# KiCad board B3_panel.kicad_pcb (continued)
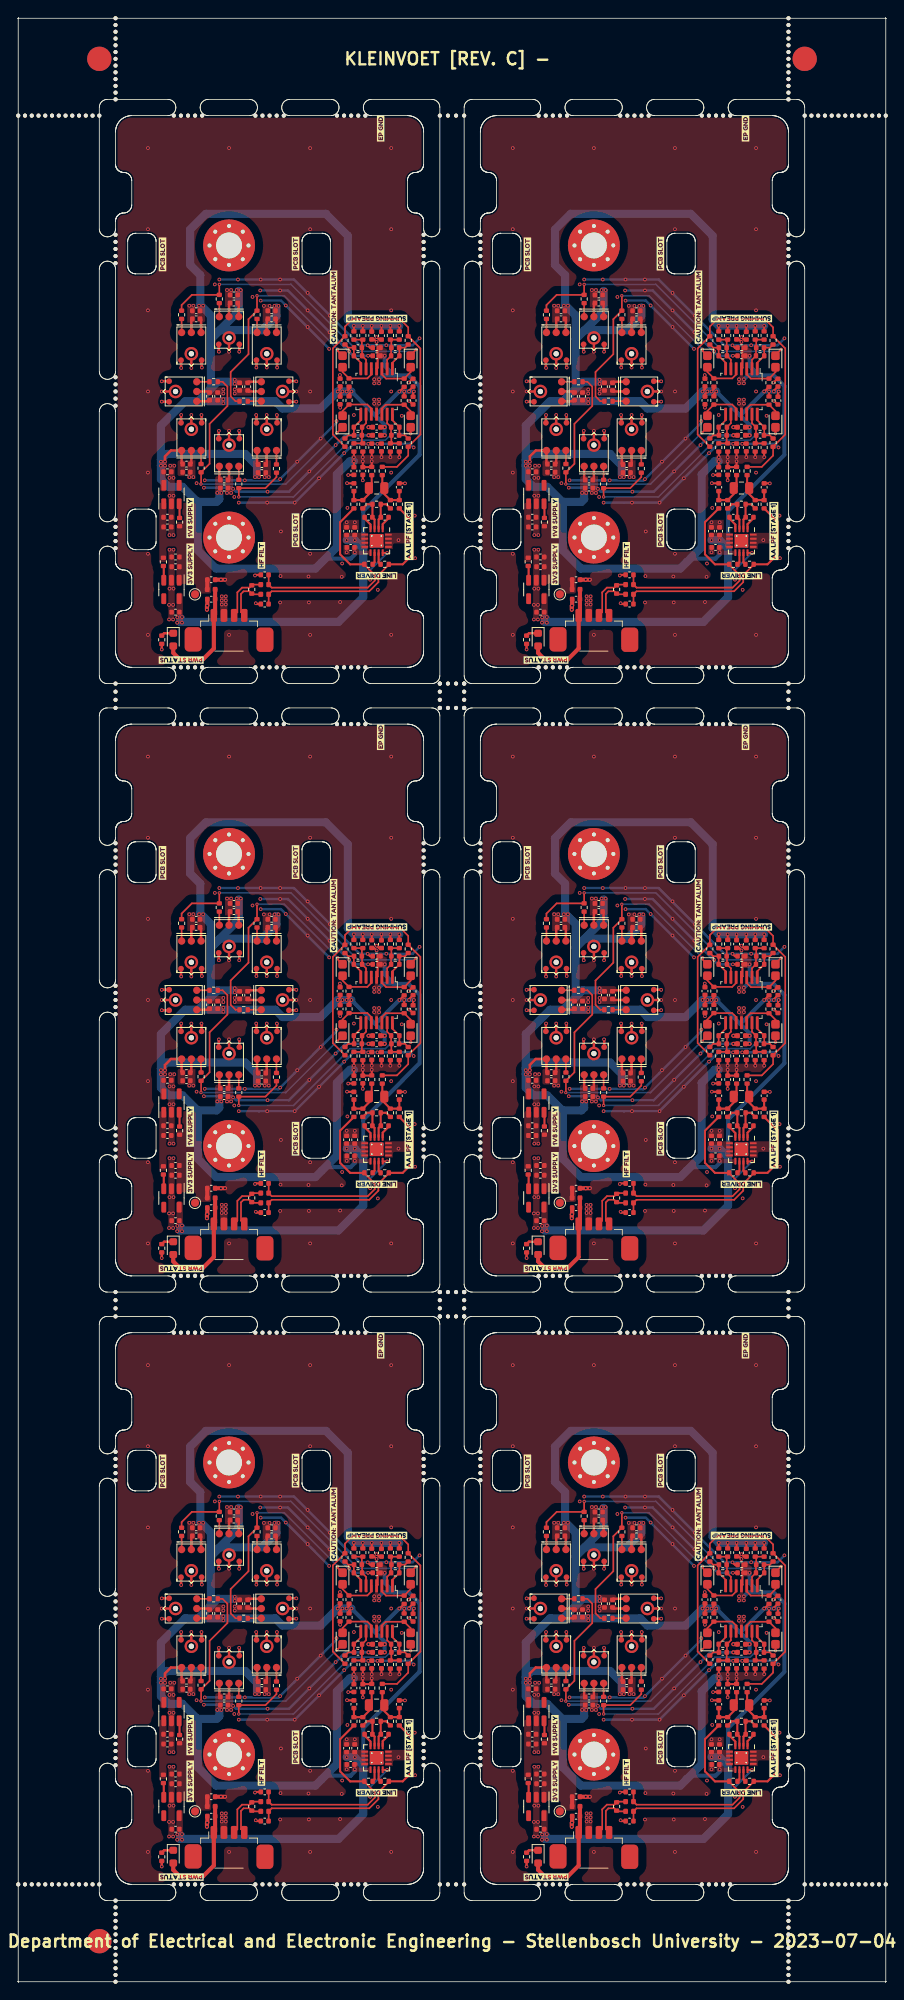
[diagram p0: board, top side]
## Nets
Board3_0-/Sensor_board/VCC_FILT: C1005#2.1 C1006.1 C1007#5.1 CB1001.1 CB1002.1 FB1001#5.2 R1001.1 R1003#4.1 TP1001.1 U1001#3.1 U1002#6.1
Board3_1-/Sensor_board/VCC_FILT: C1005#5.1 C1006#5.1 C1007.1 CB1001#4.1 CB1002#6.1 FB1001#6.2 R1001#3.1 R1003#6.1 TP1001#2.1 U1001#4.1 U1002#4.1
Board3_2-/Sensor_board/VCC_FILT: C1005#6.1 C1006#3.1 C1007#2.1 CB1001#5.1 CB1002#3.1 FB1001#2.2 R1001#4.1 R1003.1 TP1001#5.1 U1001#2.1 U1002#2.1
Board3_3-/Sensor_board/VCC_FILT: C1005.1 C1006#6.1 C1007#3.1 CB1001#3.1 CB1002#4.1 FB1001.2 R1001#6.1 R1003#2.1 TP1001#3.1 U1001#5.1 U1002#5.1
Board3_4-/Sensor_board/VCC_FILT: C1005#4.1 C1006#4.1 C1007#4.1 CB1001#2.1 CB1002#5.1 FB1001#3.2 R1001#2.1 R1003#5.1 TP1001#6.1 U1001#6.1 U1002.1
Board3_5-/Sensor_board/VCC_FILT: C1005#3.1 C1006#2.1 C1007#6.1 CB1001#6.1 CB1002#2.1 FB1001#4.2 R1001#5.1 R1003#3.1 TP1001#4.1 U1001.1 U1002#3.1
Board3_0-+1V8: C1001#5.1 C1004.1 C1008#6.1 C1009#2.1 C1401.1 C1402#5.1 C1501#6.1 C1503#2.1 C1505#3.1 C1506#3.1 C1507.1 C1508#6.1 CB1003#4.1 CB1401#2.1 CB1402#2.1 CB1403.1 CB1404.1 CB1405#6.1 CB1406#2.1 CB1407#2.1 CB1408.1 CB1602.1 CB1603#5.1 CB1604#6.1 CB1605#5.1 CB1606#2.1 CB1607.1 CB1608#6.1 CB1609#5.1 CB1610#6.1 MK1401.5 MK1402.5 MK1403#2.5 MK1404#2.5 MK1405#4.5 MK1406#6.5 MK1407#5.5 MK1408#2.5 R1601.2 R1617#5.2 R1618.2 R1619#6.2 R1620#5.2 R1621.1 R1622#3.1 R1626#2.2 R1627#5.2 R1628#4.1 R1631#3.2 R1632.2 R1633#4.1 U1001#3.5 U1701#6.9
Board3_0-+3.3V_SENSOR: C1002#4.1 C1504#6.1 C1605#5.2 CB1502.1 CB1601#4.1 U1002#6.5 U1601#6.4 U1701#6.5 U1701#6.6 U1701#6.7 U1701#6.8 U1701#6.12
Board3_0-/Sensor_board/Buffer/IN0: MK1404#2.1 R1609#6.1
Board3_0-/Sensor_board/Buffer/IN1: MK1406#6.1 R1614.1
Board3_0-/Sensor_board/Buffer/IN2: MK1402.1 R1611#3.1
Board3_0-/Sensor_board/Buffer/IN3: MK1408#2.1 R1616#3.1
Board3_0-/Sensor_board/Buffer/IN4: MK1403#2.1 R1610#3.1
Board3_0-/Sensor_board/Buffer/IN5: MK1405#4.1 R1613#3.1
Board3_0-/Sensor_board/Buffer/IN6: MK1401.1 R1612.1
Board3_0-/Sensor_board/Buffer/IN7: MK1407#5.1 R1615#5.1
Board3_0-/Sensor_board/Buffer/PAIR_A: C1608#6.1 R1611#3.2 R1614.2
Board3_0-/Sensor_board/Buffer/PAIR_B: C1614#5.1 R1610#3.2 R1616#3.2
Board3_0-/Sensor_board/Buffer/PAIR_C: C1609#2.1 R1609#6.2 R1615#5.2
Board3_0-/Sensor_board/Buffer/PAIR_D: C1613#5.1 R1612.2 R1613#3.2
Board3_0-/Sensor_board/Buffer/PREAMP_A_FB: C1502#6.2 R1514#3.1 R1617#5.1 R1618.1 U1601#6.2
Board3_0-/Sensor_board/Buffer/PREAMP_A_OUT: C1502#6.1 R1514#3.2 R1623#2.2 U1601#6.1
Board3_0-/Sensor_board/Buffer/PREAMP_B_FB: C1610#4.2 R1619#6.1 R1620#5.1 R1624#5.1 U1601#6.6
Board3_0-/Sensor_board/Buffer/PREAMP_B_OUT: C1610#4.1 R1624#5.2 R1625#6.2 U1601#6.7
Board3_0-/Sensor_board/Buffer/PREAMP_C_FB: C1612#5.2 R1631#3.1 R1632.1 R1634#3.1 U1601#6.9
Board3_0-/Sensor_board/Buffer/PREAMP_C_OUT: C1612#5.1 R1634#3.2 R1635#2.2 U1601#6.8
Board3_0-/Sensor_board/Buffer/PREAMP_D_FB: C1611#5.2 R1626#2.1 R1627#5.1 R1629#4.1 U1601#6.13
Board3_0-/Sensor_board/Buffer/PREAMP_D_OUT: C1611#5.1 R1629#4.2 R1630#5.2 U1601#6.14
Board3_0-/Sensor_board/Buffer/SENS_ARRAY_A: C1608#6.2 R1621.2 U1601#6.3
Board3_0-/Sensor_board/Buffer/SENS_ARRAY_B: C1614#5.2 R1622#3.2 U1601#6.5
Board3_0-/Sensor_board/Buffer/SENS_ARRAY_C: C1609#2.2 R1633#4.2 U1601#6.10
Board3_0-/Sensor_board/Buffer/SENS_ARRAY_D: C1613#5.2 R1628#4.2 U1601#6.12
Board3_0-/Sensor_board/Preamplifier/FB: C1603#6.1 U1701#6.4
Board3_0-/Sensor_board/Preamplifier/FDA_IN: C1602#6.2 C1604#2.2 R1604#2.1 U1701#6.2
Board3_0-/Sensor_board/Preamplifier/FDA_~{IN}: C1602#6.1 C1603#6.2 R1603#5.1 U1701#6.3
Board3_0-/Sensor_board/Preamplifier/OUT: R1607#6.2 U1701#6.10
Board3_0-/Sensor_board/Preamplifier/SIG_N: C1102#2.2 FB1102.2 R1606#5.1 R1608.1
Board3_0-/Sensor_board/Preamplifier/SIG_P: C1101#4.1 FB1101#2.2 R1605#2.1 R1607#6.1
Board3_0-/Sensor_board/Preamplifier/~{FB}: C1604#2.1 U1701#6.1
Board3_0-/Sensor_board/Preamplifier/~{OUT}: R1608.2 U1701#6.11
Board3_0-/Sensor_board/Sensor_Conn_3/SIG_CONN_N: FB1102.1 J1101.1 R1101#2.2
Board3_0-/Sensor_board/Sensor_Conn_3/SIG_CONN_P: FB1101#2.1 J1101.2 R1101#2.1
Board3_0-/Sensor_board/SUM_OUT_P: R1602#3.2 R1623#2.1 R1625#6.1 R1630#5.1 R1635#2.1
Board3_0-GND_SENSOR: C1001#5.2 C1002#4.2 C1003#4.2 C1004.2 C1005#2.2 C1006.2 C1007#5.2 C1008#6.2 C1009#2.2 C1101#4.2 C1102#2.1 C1401.2 C1402#5.2 C1501#6.2 C1503#2.2 C1504#6.2 C1505#3.2 C1506#3.2 C1507.2 C1508#6.2 C1605#5.1 C1606#5.1 C1607#5.1 CB1001.2 CB1002.2 CB1003#4.2 CB1401#2.2 CB1402#2.2 CB1403.2 CB1404.2 CB1405#6.2 CB1406#2.2 CB1407#2.2 CB1408.2 CB1502.2 CB1601#4.2 CB1602.2 CB1603#5.2 CB1604#6.2 CB1605#5.2 CB1606#2.2 CB1607.2 CB1608#6.2 CB1609#5.2 CB1610#6.2 H1001#5.1 H1002#2.1 J1101.3 MK1401.2 MK1401.3 MK1401.4 MK1401.6 MK1402.2 MK1402.3 MK1402.4 MK1402.6 MK1403#2.2 MK1403#2.3 MK1403#2.4 MK1403#2.6 MK1404#2.2 MK1404#2.3 MK1404#2.4 MK1404#2.6 MK1405#4.2 MK1405#4.3 MK1405#4.4 MK1405#4.6 MK1406#6.2 MK1406#6.3 MK1406#6.4 MK1406#6.6 MK1407#5.2 MK1407#5.3 MK1407#5.4 MK1407#5.6 MK1408#2.2 MK1408#2.3 MK1408#2.4 MK1408#2.6 R1002#2.2 U1001#3.2 U1002#6.2 U1601#6.11 U1701#6.13 U1701#6.14 U1701#6.15 U1701#6.16 U1701#6.17
Board3_0-Net-(C1601-Pad1): C1601#2.1 C1606#5.2 R1601.1 R1603#5.2 R1605#2.2
Board3_0-Net-(C1601-Pad2): C1601#2.2 C1607#5.2 R1602#3.1 R1604#2.2 R1606#5.2
Board3_0-Net-(D1001-K): D1001#2.1 R1002#2.1
Board3_0-Net-(U1001-EN): R1001.2 U1001#3.3
Board3_0-Net-(U1002-EN): R1003#4.2 U1002#6.3
Board3_0-unconnected-(U1001-NC-Pad4): U1001#3.4
Board3_0-unconnected-(U1002-NC-Pad4): U1002#6.4
Board3_0-VCC_SENSOR: C1003#4.1 D1001#2.2 FB1001#5.1 J1101.4
Board3_1-+1V8: C1001.1 C1004#3.1 C1008.1 C1009#6.1 C1401#3.1 C1402#2.1 C1501#3.1 C1503#5.1 C1505#2.1 C1506#4.1 C1507#2.1 C1508#2.1 CB1003#3.1 CB1401#5.1 CB1402.1 CB1403#3.1 CB1404#4.1 CB1405#5.1 CB1406#5.1 CB1407#3.1 CB1408#2.1 CB1602#4.1 CB1603#2.1 CB1604#2.1 CB1605#6.1 CB1606#5.1 CB1607#6.1 CB1608#2.1 CB1609#6.1 CB1610#5.1 MK1401#3.5 MK1402#3.5 MK1403#4.5 MK1404#6.5 MK1405#3.5 MK1406.5 MK1407#3.5 MK1408#3.5 R1601#3.2 R1617#4.2 R1618#6.2 R1619#5.2 R1620#6.2 R1621#6.1 R1622#5.1 R1626.2 R1627#2.2 R1628#2.1 R1631#4.2 R1632#2.2 R1633#5.1 U1001#4.5 U1701#3.9
Board3_1-+3.3V_SENSOR: C1002#2.1 C1504#4.1 C1605#4.2 CB1502#2.1 CB1601#6.1 U1002#4.5 U1601#3.4 U1701#3.5 U1701#3.6 U1701#3.7 U1701#3.8 U1701#3.12
Board3_1-/Sensor_board/Buffer/IN0: MK1404#6.1 R1609#4.1
Board3_1-/Sensor_board/Buffer/IN1: MK1406.1 R1614#4.1
Board3_1-/Sensor_board/Buffer/IN2: MK1402#3.1 R1611#6.1
Board3_1-/Sensor_board/Buffer/IN3: MK1408#3.1 R1616#6.1
Board3_1-/Sensor_board/Buffer/IN4: MK1403#4.1 R1610#2.1
Board3_1-/Sensor_board/Buffer/IN5: MK1405#3.1 R1613#6.1
Board3_1-/Sensor_board/Buffer/IN6: MK1401#3.1 R1612#2.1
Board3_1-/Sensor_board/Buffer/IN7: MK1407#3.1 R1615#6.1
Board3_1-/Sensor_board/Buffer/PAIR_A: C1608#4.1 R1611#6.2 R1614#4.2
Board3_1-/Sensor_board/Buffer/PAIR_B: C1614#2.1 R1610#2.2 R1616#6.2
Board3_1-/Sensor_board/Buffer/PAIR_C: C1609#5.1 R1609#4.2 R1615#6.2
Board3_1-/Sensor_board/Buffer/PAIR_D: C1613#4.1 R1612#2.2 R1613#6.2
Board3_1-/Sensor_board/Buffer/PREAMP_A_FB: C1502#2.2 R1514#2.1 R1617#4.1 R1618#6.1 U1601#3.2
Board3_1-/Sensor_board/Buffer/PREAMP_A_OUT: C1502#2.1 R1514#2.2 R1623#3.2 U1601#3.1
Board3_1-/Sensor_board/Buffer/PREAMP_B_FB: C1610#3.2 R1619#5.1 R1620#6.1 R1624#4.1 U1601#3.6
Board3_1-/Sensor_board/Buffer/PREAMP_B_OUT: C1610#3.1 R1624#4.2 R1625#3.2 U1601#3.7
Board3_1-/Sensor_board/Buffer/PREAMP_C_FB: C1612.2 R1631#4.1 R1632#2.1 R1634#6.1 U1601#3.9
Board3_1-/Sensor_board/Buffer/PREAMP_C_OUT: C1612.1 R1634#6.2 R1635#4.2 U1601#3.8
Board3_1-/Sensor_board/Buffer/PREAMP_D_FB: C1611#3.2 R1626.1 R1627#2.1 R1629#3.1 U1601#3.13
Board3_1-/Sensor_board/Buffer/PREAMP_D_OUT: C1611#3.1 R1629#3.2 R1630.2 U1601#3.14
Board3_1-/Sensor_board/Buffer/SENS_ARRAY_A: C1608#4.2 R1621#6.2 U1601#3.3
Board3_1-/Sensor_board/Buffer/SENS_ARRAY_B: C1614#2.2 R1622#5.2 U1601#3.5
Board3_1-/Sensor_board/Buffer/SENS_ARRAY_C: C1609#5.2 R1633#5.2 U1601#3.10
Board3_1-/Sensor_board/Buffer/SENS_ARRAY_D: C1613#4.2 R1628#2.2 U1601#3.12
Board3_1-/Sensor_board/Preamplifier/FB: C1603#2.1 U1701#3.4
Board3_1-/Sensor_board/Preamplifier/FDA_IN: C1602#4.2 C1604#6.2 R1604#3.1 U1701#3.2
Board3_1-/Sensor_board/Preamplifier/FDA_~{IN}: C1602#4.1 C1603#2.2 R1603#4.1 U1701#3.3
Board3_1-/Sensor_board/Preamplifier/OUT: R1607.2 U1701#3.10
Board3_1-/Sensor_board/Preamplifier/SIG_N: C1102#4.2 FB1102#4.2 R1606#2.1 R1608#6.1
Board3_1-/Sensor_board/Preamplifier/SIG_P: C1101#3.1 FB1101.2 R1605#5.1 R1607.1
Board3_1-/Sensor_board/Preamplifier/~{FB}: C1604#6.1 U1701#3.1
Board3_1-/Sensor_board/Preamplifier/~{OUT}: R1608#6.2 U1701#3.11
Board3_1-/Sensor_board/Sensor_Conn_3/SIG_CONN_N: FB1102#4.1 J1101#5.1 R1101#4.2
Board3_1-/Sensor_board/Sensor_Conn_3/SIG_CONN_P: FB1101.1 J1101#5.2 R1101#4.1
Board3_1-/Sensor_board/SUM_OUT_P: R1602#6.2 R1623#3.1 R1625#3.1 R1630.1 R1635#4.1
Board3_1-GND_SENSOR: C1001.2 C1002#2.2 C1003.2 C1004#3.2 C1005#5.2 C1006#5.2 C1007.2 C1008.2 C1009#6.2 C1101#3.2 C1102#4.1 C1401#3.2 C1402#2.2 C1501#3.2 C1503#5.2 C1504#4.2 C1505#2.2 C1506#4.2 C1507#2.2 C1508#2.2 C1605#4.1 C1606#2.1 C1607#4.1 CB1001#4.2 CB1002#6.2 CB1003#3.2 CB1401#5.2 CB1402.2 CB1403#3.2 CB1404#4.2 CB1405#5.2 CB1406#5.2 CB1407#3.2 CB1408#2.2 CB1502#2.2 CB1601#6.2 CB1602#4.2 CB1603#2.2 CB1604#2.2 CB1605#6.2 CB1606#5.2 CB1607#6.2 CB1608#2.2 CB1609#6.2 CB1610#5.2 H1001#6.1 H1002#3.1 J1101#5.3 MK1401#3.2 MK1401#3.3 MK1401#3.4 MK1401#3.6 MK1402#3.2 MK1402#3.3 MK1402#3.4 MK1402#3.6 MK1403#4.2 MK1403#4.3 MK1403#4.4 MK1403#4.6 MK1404#6.2 MK1404#6.3 MK1404#6.4 MK1404#6.6 MK1405#3.2 MK1405#3.3 MK1405#3.4 MK1405#3.6 MK1406.2 MK1406.3 MK1406.4 MK1406.6 MK1407#3.2 MK1407#3.3 MK1407#3.4 MK1407#3.6 MK1408#3.2 MK1408#3.3 MK1408#3.4 MK1408#3.6 R1002#6.2 U1001#4.2 U1002#4.2 U1601#3.11 U1701#3.13 U1701#3.14 U1701#3.15 U1701#3.16 U1701#3.17
Board3_1-Net-(C1601-Pad1): C1601#6.1 C1606#2.2 R1601#3.1 R1603#4.2 R1605#5.2
Board3_1-Net-(C1601-Pad2): C1601#6.2 C1607#4.2 R1602#6.1 R1604#3.2 R1606#2.2
Board3_1-Net-(D1001-K): D1001#5.1 R1002#6.1
Board3_1-Net-(U1001-EN): R1001#3.2 U1001#4.3
Board3_1-Net-(U1002-EN): R1003#6.2 U1002#4.3
Board3_1-unconnected-(U1001-NC-Pad4): U1001#4.4
Board3_1-unconnected-(U1002-NC-Pad4): U1002#4.4
Board3_1-VCC_SENSOR: C1003.1 D1001#5.2 FB1001#6.1 J1101#5.4
Board3_2-+1V8: C1001#2.1 C1004#4.1 C1008#4.1 C1009.1 C1401#2.1 C1402.1 C1501#2.1 C1503#4.1 C1505#4.1 C1506.1 C1507#4.1 C1508.1 CB1003.1 CB1401#4.1 CB1402#3.1 CB1403#2.1 CB1404#3.1 CB1405#2.1 CB1406#4.1 CB1407#4.1 CB1408#5.1 CB1602#6.1 CB1603.1 CB1604#3.1 CB1605#3.1 CB1606.1 CB1607#5.1 CB1608#5.1 CB1609#4.1 CB1610#3.1 MK1401#5.5 MK1402#4.5 MK1403#5.5 MK1404#4.5 MK1405#2.5 MK1406#5.5 MK1407#4.5 MK1408#5.5 R1601#5.2 R1617#3.2 R1618#3.2 R1619#2.2 R1620#2.2 R1621#4.1 R1622#2.1 R1626#5.2 R1627.2 R1628#3.1 R1631#5.2 R1632#5.2 R1633#3.1 U1001#2.5 U1701#5.9
Board3_2-+3.3V_SENSOR: C1002#5.1 C1504#2.1 C1605.2 CB1502#5.1 CB1601#2.1 U1002#2.5 U1601#2.4 U1701#5.5 U1701#5.6 U1701#5.7 U1701#5.8 U1701#5.12
Board3_2-/Sensor_board/Buffer/IN0: MK1404#4.1 R1609#5.1
Board3_2-/Sensor_board/Buffer/IN1: MK1406#5.1 R1614#6.1
Board3_2-/Sensor_board/Buffer/IN2: MK1402#4.1 R1611#4.1
Board3_2-/Sensor_board/Buffer/IN3: MK1408#5.1 R1616#5.1
Board3_2-/Sensor_board/Buffer/IN4: MK1403#5.1 R1610#6.1
Board3_2-/Sensor_board/Buffer/IN5: MK1405#2.1 R1613#5.1
Board3_2-/Sensor_board/Buffer/IN6: MK1401#5.1 R1612#3.1
Board3_2-/Sensor_board/Buffer/IN7: MK1407#4.1 R1615#4.1
Board3_2-/Sensor_board/Buffer/PAIR_A: C1608.1 R1611#4.2 R1614#6.2
Board3_2-/Sensor_board/Buffer/PAIR_B: C1614#4.1 R1610#6.2 R1616#5.2
Board3_2-/Sensor_board/Buffer/PAIR_C: C1609#3.1 R1609#5.2 R1615#4.2
Board3_2-/Sensor_board/Buffer/PAIR_D: C1613.1 R1612#3.2 R1613#5.2
Board3_2-/Sensor_board/Buffer/PREAMP_A_FB: C1502#5.2 R1514#5.1 R1617#3.1 R1618#3.1 U1601#2.2
Board3_2-/Sensor_board/Buffer/PREAMP_A_OUT: C1502#5.1 R1514#5.2 R1623#5.2 U1601#2.1
Board3_2-/Sensor_board/Buffer/PREAMP_B_FB: C1610#2.2 R1619#2.1 R1620#2.1 R1624.1 U1601#2.6
Board3_2-/Sensor_board/Buffer/PREAMP_B_OUT: C1610#2.1 R1624.2 R1625.2 U1601#2.7
Board3_2-/Sensor_board/Buffer/PREAMP_C_FB: C1612#3.2 R1631#5.1 R1632#5.1 R1634#2.1 U1601#2.9
Board3_2-/Sensor_board/Buffer/PREAMP_C_OUT: C1612#3.1 R1634#2.2 R1635#6.2 U1601#2.8
Board3_2-/Sensor_board/Buffer/PREAMP_D_FB: C1611#6.2 R1626#5.1 R1627.1 R1629.1 U1601#2.13
Board3_2-/Sensor_board/Buffer/PREAMP_D_OUT: C1611#6.1 R1629.2 R1630#6.2 U1601#2.14
Board3_2-/Sensor_board/Buffer/SENS_ARRAY_A: C1608.2 R1621#4.2 U1601#2.3
Board3_2-/Sensor_board/Buffer/SENS_ARRAY_B: C1614#4.2 R1622#2.2 U1601#2.5
Board3_2-/Sensor_board/Buffer/SENS_ARRAY_C: C1609#3.2 R1633#3.2 U1601#2.10
Board3_2-/Sensor_board/Buffer/SENS_ARRAY_D: C1613.2 R1628#3.2 U1601#2.12
Board3_2-/Sensor_board/Preamplifier/FB: C1603#3.1 U1701#5.4
Board3_2-/Sensor_board/Preamplifier/FDA_IN: C1602#3.2 C1604#4.2 R1604.1 U1701#5.2
Board3_2-/Sensor_board/Preamplifier/FDA_~{IN}: C1602#3.1 C1603#3.2 R1603#6.1 U1701#5.3
Board3_2-/Sensor_board/Preamplifier/OUT: R1607#3.2 U1701#5.10
Board3_2-/Sensor_board/Preamplifier/SIG_N: C1102#3.2 FB1102#3.2 R1606#3.1 R1608#3.1
Board3_2-/Sensor_board/Preamplifier/SIG_P: C1101#6.1 FB1101#3.2 R1605#3.1 R1607#3.1
Board3_2-/Sensor_board/Preamplifier/~{FB}: C1604#4.1 U1701#5.1
Board3_2-/Sensor_board/Preamplifier/~{OUT}: R1608#3.2 U1701#5.11
Board3_2-/Sensor_board/Sensor_Conn_3/SIG_CONN_N: FB1102#3.1 J1101#2.1 R1101#6.2
Board3_2-/Sensor_board/Sensor_Conn_3/SIG_CONN_P: FB1101#3.1 J1101#2.2 R1101#6.1
Board3_2-/Sensor_board/SUM_OUT_P: R1602#2.2 R1623#5.1 R1625.1 R1630#6.1 R1635#6.1
Board3_2-GND_SENSOR: C1001#2.2 C1002#5.2 C1003#3.2 C1004#4.2 C1005#6.2 C1006#3.2 C1007#2.2 C1008#4.2 C1009.2 C1101#6.2 C1102#3.1 C1401#2.2 C1402.2 C1501#2.2 C1503#4.2 C1504#2.2 C1505#4.2 C1506.2 C1507#4.2 C1508.2 C1605.1 C1606#6.1 C1607.1 CB1001#5.2 CB1002#3.2 CB1003.2 CB1401#4.2 CB1402#3.2 CB1403#2.2 CB1404#3.2 CB1405#2.2 CB1406#4.2 CB1407#4.2 CB1408#5.2 CB1502#5.2 CB1601#2.2 CB1602#6.2 CB1603.2 CB1604#3.2 CB1605#3.2 CB1606.2 CB1607#5.2 CB1608#5.2 CB1609#4.2 CB1610#3.2 H1001#4.1 H1002#5.1 J1101#2.3 MK1401#5.2 MK1401#5.3 MK1401#5.4 MK1401#5.6 MK1402#4.2 MK1402#4.3 MK1402#4.4 MK1402#4.6 MK1403#5.2 MK1403#5.3 MK1403#5.4 MK1403#5.6 MK1404#4.2 MK1404#4.3 MK1404#4.4 MK1404#4.6 MK1405#2.2 MK1405#2.3 MK1405#2.4 MK1405#2.6 MK1406#5.2 MK1406#5.3 MK1406#5.4 MK1406#5.6 MK1407#4.2 MK1407#4.3 MK1407#4.4 MK1407#4.6 MK1408#5.2 MK1408#5.3 MK1408#5.4 MK1408#5.6 R1002.2 U1001#2.2 U1002#2.2 U1601#2.11 U1701#5.13 U1701#5.14 U1701#5.15 U1701#5.16 U1701#5.17
Board3_2-Net-(C1601-Pad1): C1601#5.1 C1606#6.2 R1601#5.1 R1603#6.2 R1605#3.2
Board3_2-Net-(C1601-Pad2): C1601#5.2 C1607.2 R1602#2.1 R1604.2 R1606#3.2
Board3_2-Net-(D1001-K): D1001.1 R1002.1
Board3_2-Net-(U1001-EN): R1001#4.2 U1001#2.3
Board3_2-Net-(U1002-EN): R1003.2 U1002#2.3
Board3_2-unconnected-(U1001-NC-Pad4): U1001#2.4
Board3_2-unconnected-(U1002-NC-Pad4): U1002#2.4
Board3_2-VCC_SENSOR: C1003#3.1 D1001.2 FB1001#2.1 J1101#2.4
Board3_3-+1V8: C1001#4.1 C1004#6.1 C1008#2.1 C1009#4.1 C1401#5.1 C1402#4.1 C1501.1 C1503.1 C1505.1 C1506#2.1 C1507#5.1 C1508#4.1 CB1003#2.1 CB1401#3.1 CB1402#6.1 CB1403#6.1 CB1404#2.1 CB1405.1 CB1406#3.1 CB1407.1 CB1408#4.1 CB1602#2.1 CB1603#6.1 CB1604.1 CB1605#2.1 CB1606#6.1 CB1607#3.1 CB1608#4.1 CB1609.1 CB1610#2.1 MK1401#2.5 MK1402#6.5 MK1403.5 MK1404#3.5 MK1405#5.5 MK1406#4.5 MK1407#2.5 MK1408#4.5 R1601#2.2 R1617#6.2 R1618#4.2 R1619.2 R1620#3.2 R1621#5.1 R1622#6.1 R1626#4.2 R1627#3.2 R1628#5.1 R1631.2 R1632#3.2 R1633.1 U1001#5.5 U1701.9
Board3_3-+3.3V_SENSOR: C1002#6.1 C1504#5.1 C1605#6.2 CB1502#3.1 CB1601#5.1 U1002#5.5 U1601#5.4 U1701.5 U1701.6 U1701.7 U1701.8 U1701.12
Board3_3-/Sensor_board/Buffer/IN0: MK1404#3.1 R1609#3.1
Board3_3-/Sensor_board/Buffer/IN1: MK1406#4.1 R1614#2.1
Board3_3-/Sensor_board/Buffer/IN2: MK1402#6.1 R1611#2.1
Board3_3-/Sensor_board/Buffer/IN3: MK1408#4.1 R1616.1
Board3_3-/Sensor_board/Buffer/IN4: MK1403.1 R1610#5.1
Board3_3-/Sensor_board/Buffer/IN5: MK1405#5.1 R1613#4.1
Board3_3-/Sensor_board/Buffer/IN6: MK1401#2.1 R1612#4.1
Board3_3-/Sensor_board/Buffer/IN7: MK1407#2.1 R1615.1
Board3_3-/Sensor_board/Buffer/PAIR_A: C1608#5.1 R1611#2.2 R1614#2.2
Board3_3-/Sensor_board/Buffer/PAIR_B: C1614#6.1 R1610#5.2 R1616.2
Board3_3-/Sensor_board/Buffer/PAIR_C: C1609#4.1 R1609#3.2 R1615.2
Board3_3-/Sensor_board/Buffer/PAIR_D: C1613#6.1 R1612#4.2 R1613#4.2
Board3_3-/Sensor_board/Buffer/PREAMP_A_FB: C1502.2 R1514#4.1 R1617#6.1 R1618#4.1 U1601#5.2
Board3_3-/Sensor_board/Buffer/PREAMP_A_OUT: C1502.1 R1514#4.2 R1623#4.2 U1601#5.1
Board3_3-/Sensor_board/Buffer/PREAMP_B_FB: C1610#6.2 R1619.1 R1620#3.1 R1624#2.1 U1601#5.6
Board3_3-/Sensor_board/Buffer/PREAMP_B_OUT: C1610#6.1 R1624#2.2 R1625#4.2 U1601#5.7
Board3_3-/Sensor_board/Buffer/PREAMP_C_FB: C1612#2.2 R1631.1 R1632#3.1 R1634#5.1 U1601#5.9
Board3_3-/Sensor_board/Buffer/PREAMP_C_OUT: C1612#2.1 R1634#5.2 R1635#5.2 U1601#5.8
Board3_3-/Sensor_board/Buffer/PREAMP_D_FB: C1611.2 R1626#4.1 R1627#3.1 R1629#2.1 U1601#5.13
Board3_3-/Sensor_board/Buffer/PREAMP_D_OUT: C1611.1 R1629#2.2 R1630#2.2 U1601#5.14
Board3_3-/Sensor_board/Buffer/SENS_ARRAY_A: C1608#5.2 R1621#5.2 U1601#5.3
Board3_3-/Sensor_board/Buffer/SENS_ARRAY_B: C1614#6.2 R1622#6.2 U1601#5.5
Board3_3-/Sensor_board/Buffer/SENS_ARRAY_C: C1609#4.2 R1633.2 U1601#5.10
Board3_3-/Sensor_board/Buffer/SENS_ARRAY_D: C1613#6.2 R1628#5.2 U1601#5.12
Board3_3-/Sensor_board/Preamplifier/FB: C1603#5.1 U1701.4
Board3_3-/Sensor_board/Preamplifier/FDA_IN: C1602#2.2 C1604.2 R1604#5.1 U1701.2
Board3_3-/Sensor_board/Preamplifier/FDA_~{IN}: C1602#2.1 C1603#5.2 R1603#2.1 U1701.3
Board3_3-/Sensor_board/Preamplifier/OUT: R1607#4.2 U1701.10
Board3_3-/Sensor_board/Preamplifier/SIG_N: C1102#6.2 FB1102#5.2 R1606.1 R1608#5.1
Board3_3-/Sensor_board/Preamplifier/SIG_P: C1101.1 FB1101#4.2 R1605#4.1 R1607#4.1
Board3_3-/Sensor_board/Preamplifier/~{FB}: C1604.1 U1701.1
Board3_3-/Sensor_board/Preamplifier/~{OUT}: R1608#5.2 U1701.11
Board3_3-/Sensor_board/Sensor_Conn_3/SIG_CONN_N: FB1102#5.1 J1101#6.1 R1101#3.2
Board3_3-/Sensor_board/Sensor_Conn_3/SIG_CONN_P: FB1101#4.1 J1101#6.2 R1101#3.1
Board3_3-/Sensor_board/SUM_OUT_P: R1602#5.2 R1623#4.1 R1625#4.1 R1630#2.1 R1635#5.1
Board3_3-GND_SENSOR: C1001#4.2 C1002#6.2 C1003#2.2 C1004#6.2 C1005.2 C1006#6.2 C1007#3.2 C1008#2.2 C1009#4.2 C1101.2 C1102#6.1 C1401#5.2 C1402#4.2 C1501.2 C1503.2 C1504#5.2 C1505.2 C1506#2.2 C1507#5.2 C1508#4.2 C1605#6.1 C1606#3.1 C1607#3.1 CB1001#3.2 CB1002#4.2 CB1003#2.2 CB1401#3.2 CB1402#6.2 CB1403#6.2 CB1404#2.2 CB1405.2 CB1406#3.2 CB1407.2 CB1408#4.2 CB1502#3.2 CB1601#5.2 CB1602#2.2 CB1603#6.2 CB1604.2 CB1605#2.2 CB1606#6.2 CB1607#3.2 CB1608#4.2 CB1609.2 CB1610#2.2 H1001#2.1 H1002#4.1 J1101#6.3 MK1401#2.2 MK1401#2.3 MK1401#2.4 MK1401#2.6 MK1402#6.2 MK1402#6.3 MK1402#6.4 MK1402#6.6 MK1403.2 MK1403.3 MK1403.4 MK1403.6 MK1404#3.2 MK1404#3.3 MK1404#3.4 MK1404#3.6 MK1405#5.2 MK1405#5.3 MK1405#5.4 MK1405#5.6 MK1406#4.2 MK1406#4.3 MK1406#4.4 MK1406#4.6 MK1407#2.2 MK1407#2.3 MK1407#2.4 MK1407#2.6 MK1408#4.2 MK1408#4.3 MK1408#4.4 MK1408#4.6 R1002#4.2 U1001#5.2 U1002#5.2 U1601#5.11 U1701.13 U1701.14 U1701.15 U1701.16 U1701.17
Board3_3-Net-(C1601-Pad1): C1601#3.1 C1606#3.2 R1601#2.1 R1603#2.2 R1605#4.2
Board3_3-Net-(C1601-Pad2): C1601#3.2 C1607#3.2 R1602#5.1 R1604#5.2 R1606.2
Board3_3-Net-(D1001-K): D1001#3.1 R1002#4.1
Board3_3-Net-(U1001-EN): R1001#6.2 U1001#5.3
Board3_3-Net-(U1002-EN): R1003#2.2 U1002#5.3
Board3_3-unconnected-(U1001-NC-Pad4): U1001#5.4
Board3_3-unconnected-(U1002-NC-Pad4): U1002#5.4
Board3_3-VCC_SENSOR: C1003#2.1 D1001#3.2 FB1001.1 J1101#6.4
Board3_4-+1V8: C1001#3.1 C1004#2.1 C1008#5.1 C1009#5.1 C1401#4.1 C1402#3.1 C1501#5.1 C1503#3.1 C1505#6.1 C1506#6.1 C1507#6.1 C1508#3.1 CB1003#5.1 CB1401#6.1 CB1402#5.1 CB1403#5.1 CB1404#5.1 CB1405#4.1 CB1406#6.1 CB1407#5.1 CB1408#3.1 CB1602#3.1 CB1603#3.1 CB1604#5.1 CB1605.1 CB1606#4.1 CB1607#4.1 CB1608.1 CB1609#2.1 CB1610#4.1 MK1401#4.5 MK1402#2.5 MK1403#6.5 MK1404.5 MK1405.5 MK1406#3.5 MK1407#6.5 MK1408#6.5 R1601#4.2 R1617#2.2 R1618#2.2 R1619#4.2 R1620.2 R1621#2.1 R1622#4.1 R1626#3.2 R1627#4.2 R1628#6.1 R1631#2.2 R1632#4.2 R1633#6.1 U1001#6.5 U1701#2.9
Board3_4-+3.3V_SENSOR: C1002.1 C1504#3.1 C1605#2.2 CB1502#4.1 CB1601.1 U1002.5 U1601.4 U1701#2.5 U1701#2.6 U1701#2.7 U1701#2.8 U1701#2.12
Board3_4-/Sensor_board/Buffer/IN0: MK1404.1 R1609#2.1
Board3_4-/Sensor_board/Buffer/IN1: MK1406#3.1 R1614#3.1
Board3_4-/Sensor_board/Buffer/IN2: MK1402#2.1 R1611.1
Board3_4-/Sensor_board/Buffer/IN3: MK1408#6.1 R1616#4.1
Board3_4-/Sensor_board/Buffer/IN4: MK1403#6.1 R1610#4.1
Board3_4-/Sensor_board/Buffer/IN5: MK1405.1 R1613#2.1
Board3_4-/Sensor_board/Buffer/IN6: MK1401#4.1 R1612#5.1
Board3_4-/Sensor_board/Buffer/IN7: MK1407#6.1 R1615#2.1
Board3_4-/Sensor_board/Buffer/PAIR_A: C1608#3.1 R1611.2 R1614#3.2
Board3_4-/Sensor_board/Buffer/PAIR_B: C1614.1 R1610#4.2 R1616#4.2
Board3_4-/Sensor_board/Buffer/PAIR_C: C1609#6.1 R1609#2.2 R1615#2.2
Board3_4-/Sensor_board/Buffer/PAIR_D: C1613#2.1 R1612#5.2 R1613#2.2
Board3_4-/Sensor_board/Buffer/PREAMP_A_FB: C1502#3.2 R1514.1 R1617#2.1 R1618#2.1 U1601.2
Board3_4-/Sensor_board/Buffer/PREAMP_A_OUT: C1502#3.1 R1514.2 R1623.2 U1601.1
Board3_4-/Sensor_board/Buffer/PREAMP_B_FB: C1610#5.2 R1619#4.1 R1620.1 R1624#6.1 U1601.6
Board3_4-/Sensor_board/Buffer/PREAMP_B_OUT: C1610#5.1 R1624#6.2 R1625#2.2 U1601.7
Board3_4-/Sensor_board/Buffer/PREAMP_C_FB: C1612#4.2 R1631#2.1 R1632#4.1 R1634.1 U1601.9
Board3_4-/Sensor_board/Buffer/PREAMP_C_OUT: C1612#4.1 R1634.2 R1635.2 U1601.8
Board3_4-/Sensor_board/Buffer/PREAMP_D_FB: C1611#4.2 R1626#3.1 R1627#4.1 R1629#6.1 U1601.13
Board3_4-/Sensor_board/Buffer/PREAMP_D_OUT: C1611#4.1 R1629#6.2 R1630#3.2 U1601.14
Board3_4-/Sensor_board/Buffer/SENS_ARRAY_A: C1608#3.2 R1621#2.2 U1601.3
Board3_4-/Sensor_board/Buffer/SENS_ARRAY_B: C1614.2 R1622#4.2 U1601.5
Board3_4-/Sensor_board/Buffer/SENS_ARRAY_C: C1609#6.2 R1633#6.2 U1601.10
Board3_4-/Sensor_board/Buffer/SENS_ARRAY_D: C1613#2.2 R1628#6.2 U1601.12
Board3_4-/Sensor_board/Preamplifier/FB: C1603#4.1 U1701#2.4
Board3_4-/Sensor_board/Preamplifier/FDA_IN: C1602.2 C1604#5.2 R1604#4.1 U1701#2.2
Board3_4-/Sensor_board/Preamplifier/FDA_~{IN}: C1602.1 C1603#4.2 R1603#3.1 U1701#2.3
Board3_4-/Sensor_board/Preamplifier/OUT: R1607#5.2 U1701#2.10
Board3_4-/Sensor_board/Preamplifier/SIG_N: C1102.2 FB1102#2.2 R1606#6.1 R1608#2.1
Board3_4-/Sensor_board/Preamplifier/SIG_P: C1101#5.1 FB1101#6.2 R1605#6.1 R1607#5.1
Board3_4-/Sensor_board/Preamplifier/~{FB}: C1604#5.1 U1701#2.1
Board3_4-/Sensor_board/Preamplifier/~{OUT}: R1608#2.2 U1701#2.11
Board3_4-/Sensor_board/Sensor_Conn_3/SIG_CONN_N: FB1102#2.1 J1101#3.1 R1101#5.2
Board3_4-/Sensor_board/Sensor_Conn_3/SIG_CONN_P: FB1101#6.1 J1101#3.2 R1101#5.1
Board3_4-/Sensor_board/SUM_OUT_P: R1602#4.2 R1623.1 R1625#2.1 R1630#3.1 R1635.1
Board3_4-GND_SENSOR: C1001#3.2 C1002.2 C1003#6.2 C1004#2.2 C1005#4.2 C1006#4.2 C1007#4.2 C1008#5.2 C1009#5.2 C1101#5.2 C1102.1 C1401#4.2 C1402#3.2 C1501#5.2 C1503#3.2 C1504#3.2 C1505#6.2 C1506#6.2 C1507#6.2 C1508#3.2 C1605#2.1 C1606#4.1 C1607#6.1 CB1001#2.2 CB1002#5.2 CB1003#5.2 CB1401#6.2 CB1402#5.2 CB1403#5.2 CB1404#5.2 CB1405#4.2 CB1406#6.2 CB1407#5.2 CB1408#3.2 CB1502#4.2 CB1601.2 CB1602#3.2 CB1603#3.2 CB1604#5.2 CB1605.2 CB1606#4.2 CB1607#4.2 CB1608.2 CB1609#2.2 CB1610#4.2 H1001#3.1 H1002.1 J1101#3.3 MK1401#4.2 MK1401#4.3 MK1401#4.4 MK1401#4.6 MK1402#2.2 MK1402#2.3 MK1402#2.4 MK1402#2.6 MK1403#6.2 MK1403#6.3 MK1403#6.4 MK1403#6.6 MK1404.2 MK1404.3 MK1404.4 MK1404.6 MK1405.2 MK1405.3 MK1405.4 MK1405.6 MK1406#3.2 MK1406#3.3 MK1406#3.4 MK1406#3.6 MK1407#6.2 MK1407#6.3 MK1407#6.4 MK1407#6.6 MK1408#6.2 MK1408#6.3 MK1408#6.4 MK1408#6.6 R1002#5.2 U1001#6.2 U1002.2 U1601.11 U1701#2.13 U1701#2.14 U1701#2.15 U1701#2.16 U1701#2.17
Board3_4-Net-(C1601-Pad1): C1601#4.1 C1606#4.2 R1601#4.1 R1603#3.2 R1605#6.2
Board3_4-Net-(C1601-Pad2): C1601#4.2 C1607#6.2 R1602#4.1 R1604#4.2 R1606#6.2
Board3_4-Net-(D1001-K): D1001#4.1 R1002#5.1
Board3_4-Net-(U1001-EN): R1001#2.2 U1001#6.3
Board3_4-Net-(U1002-EN): R1003#5.2 U1002.3
Board3_4-unconnected-(U1001-NC-Pad4): U1001#6.4
Board3_4-unconnected-(U1002-NC-Pad4): U1002.4
Board3_4-VCC_SENSOR: C1003#6.1 D1001#4.2 FB1001#3.1 J1101#3.4
Board3_5-+1V8: C1001#6.1 C1004#5.1 C1008#3.1 C1009#3.1 C1401#6.1 C1402#6.1 C1501#4.1 C1503#6.1 C1505#5.1 C1506#5.1 C1507#3.1 C1508#5.1 CB1003#6.1 CB1401.1 CB1402#4.1 CB1403#4.1 CB1404#6.1 CB1405#3.1 CB1406.1 CB1407#6.1 CB1408#6.1 CB1602#5.1 CB1603#4.1 CB1604#4.1 CB1605#4.1 CB1606#3.1 CB1607#2.1 CB1608#3.1 CB1609#3.1 CB1610.1 MK1401#6.5 MK1402#5.5 MK1403#3.5 MK1404#5.5 MK1405#6.5 MK1406#2.5 MK1407.5 MK1408.5 R1601#6.2 R1617.2 R1618#5.2 R1619#3.2 R1620#4.2 R1621#3.1 R1622.1 R1626#6.2 R1627#6.2 R1628.1 R1631#6.2 R1632#6.2 R1633#2.1 U1001.5 U1701#4.9
Board3_5-+3.3V_SENSOR: C1002#3.1 C1504.1 C1605#3.2 CB1502#6.1 CB1601#3.1 U1002#3.5 U1601#4.4 U1701#4.5 U1701#4.6 U1701#4.7 U1701#4.8 U1701#4.12
Board3_5-/Sensor_board/Buffer/IN0: MK1404#5.1 R1609.1
Board3_5-/Sensor_board/Buffer/IN1: MK1406#2.1 R1614#5.1
Board3_5-/Sensor_board/Buffer/IN2: MK1402#5.1 R1611#5.1
Board3_5-/Sensor_board/Buffer/IN3: MK1408.1 R1616#2.1
Board3_5-/Sensor_board/Buffer/IN4: MK1403#3.1 R1610.1
Board3_5-/Sensor_board/Buffer/IN5: MK1405#6.1 R1613.1
Board3_5-/Sensor_board/Buffer/IN6: MK1401#6.1 R1612#6.1
Board3_5-/Sensor_board/Buffer/IN7: MK1407.1 R1615#3.1
Board3_5-/Sensor_board/Buffer/PAIR_A: C1608#2.1 R1611#5.2 R1614#5.2
Board3_5-/Sensor_board/Buffer/PAIR_B: C1614#3.1 R1610.2 R1616#2.2
Board3_5-/Sensor_board/Buffer/PAIR_C: C1609.1 R1609.2 R1615#3.2
Board3_5-/Sensor_board/Buffer/PAIR_D: C1613#3.1 R1612#6.2 R1613.2
Board3_5-/Sensor_board/Buffer/PREAMP_A_FB: C1502#4.2 R1514#6.1 R1617.1 R1618#5.1 U1601#4.2
Board3_5-/Sensor_board/Buffer/PREAMP_A_OUT: C1502#4.1 R1514#6.2 R1623#6.2 U1601#4.1
